# Altium PCB MCU025B.PcbDoc (part 2 of 4) (continued)
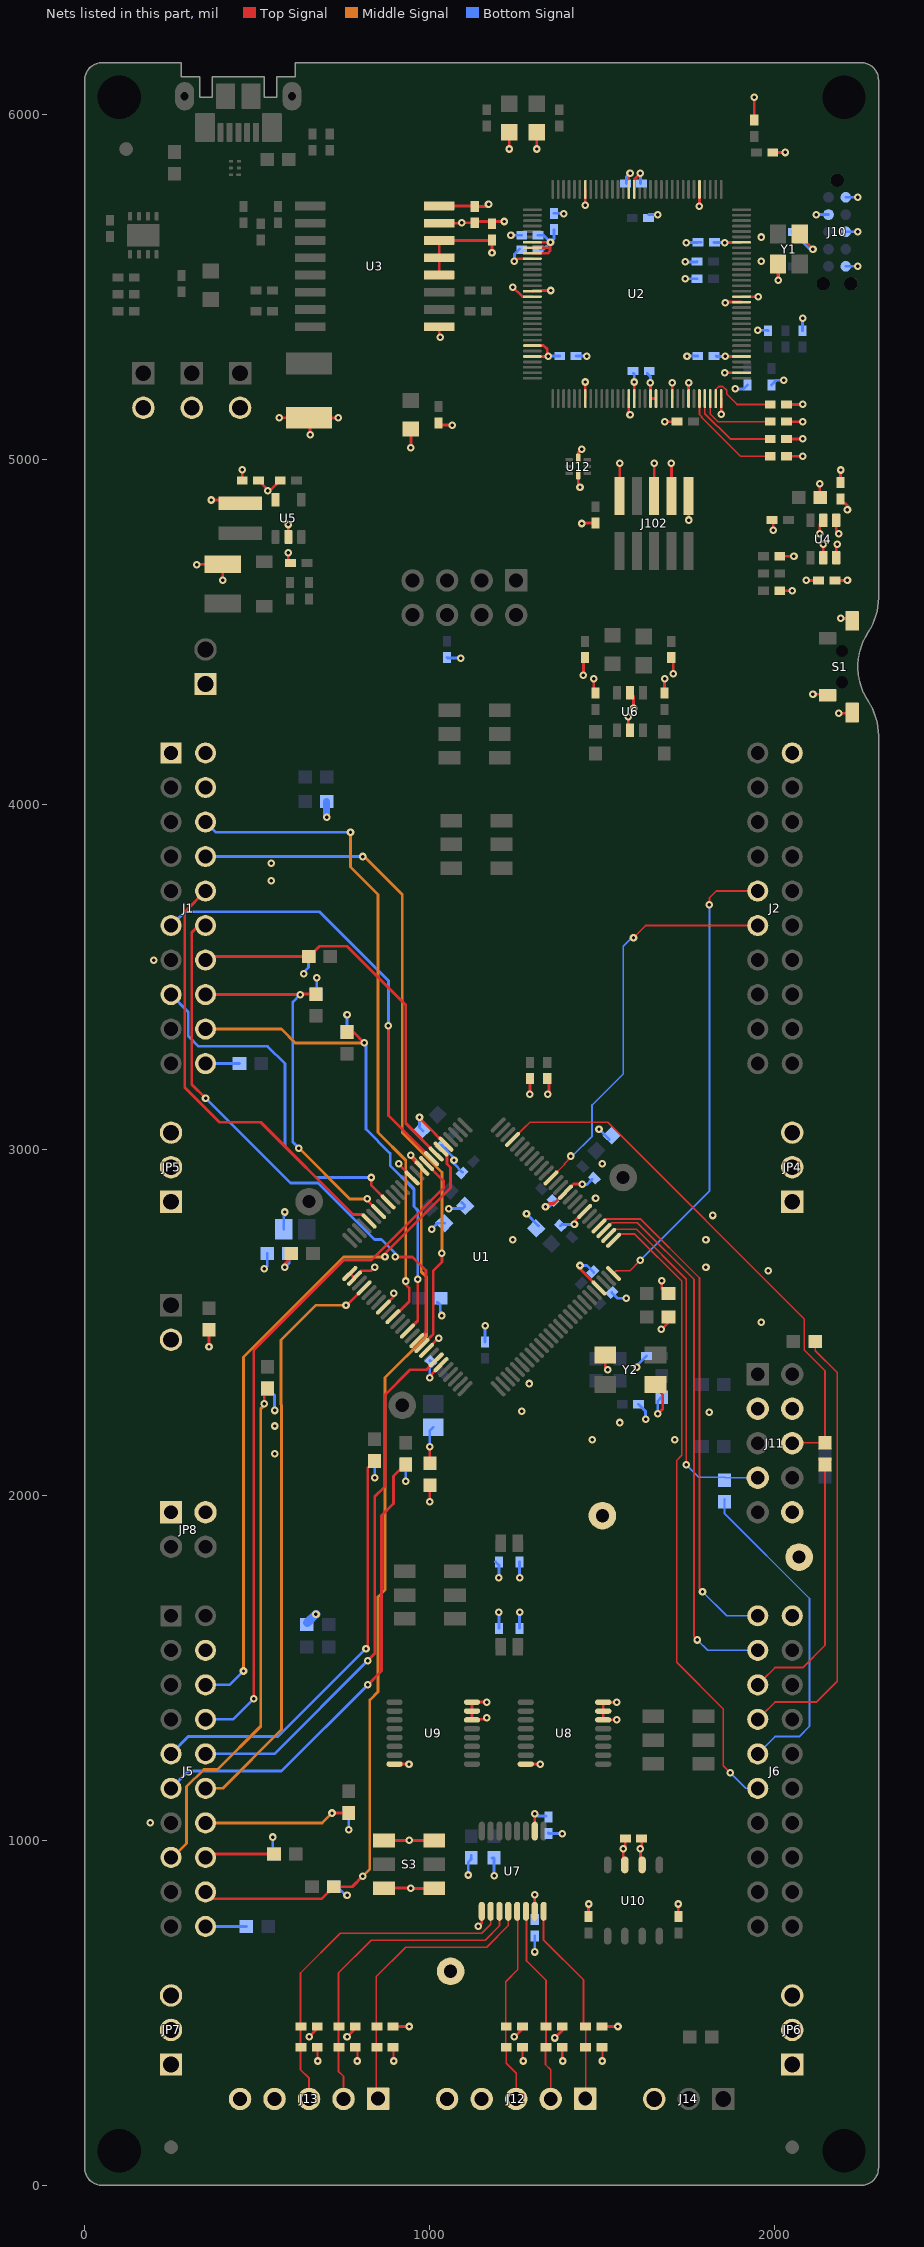
[diagram p6: the nets of this part, all layers, seen from the top]
## Part data (continued)
U8 U9: library part CMP-0076549-1, "TRIPLE 2-CHANNEL ANALOG MULTIPLEXER/DEMULTIPLEXER, PW0016A (TSSOP-16)", Alternate Manufacturer="Texas Instruments", ComponentLink1Description="Datasheet Link", ComponentLink1URL=http://www.ti.com/lit/ds/symlink/sn74lv4053a-q1.pdf, CompType=IC, LatestRevisionDate=2017-06-09, Manufacturer="Texas Instruments", MountType=SMT, PackageDescription=TSSOP-16, PackageReference=PW0016A, PartNumber=SN74LV4053ATPWRQ1, Publisher="Texas Instruments", RoHS=Y, SizeArea_mm2=32.0, SizeAreaWB_mm2=58.8, SizeX_mm=6.4, SizeY_mm=5.0, SizeZ_mm=1.2, U/M=EA
U10: library part CMP-0033355-1, "3.3V CAN Transceiver with Sleep Mode, 6 mA, -40 to 125 degC, 8-pin SOIC (D), Green (RoHS & no Sb/Br)", Bus Fault Voltage(V)=+/-30, Drivers Per Package=1, Low Power Mode=Sleep, Manufacturer="Texas Instruments", Rating=Catalog, Supply Voltage(s)(V)=3.3, Code_JEDEC=MS-012AA, ComponentLink1Description=Datasheet, ComponentLink1URL=http://www.ti.com/general/docs/lit/getliterature.tsp?genericPartNumber=SN65HVD234&fileType=pdf, DatasheetVersion=SLLS557F, Eco-Plan="Green (RoHS & no Sb/Br)", ICC(Max)(mA)=6, Isolated=No, Mounting Technology="Surface Mount", PackageDescription="8-Pin Plastic Small Outline Integrated Circuit, 4.9 x 3.9 mm, Pitch 1.27 mm Pitch", PackageReference=D0008A, PackageVersion="revM, Jun-2011", PartNumber=SN65HVD234DR, Receivers Per Package=1, SubFamily=CAN, Transient Pulse Protection(V)="-100 to 100"
U12: library part CMP-0043125-2, "Low-Capacitance + / - 15 kV ESD Protection Array for High-Speed Data Interfaces, 6 Channels, -40 to +85 degC, 8-pin UQFN (RSE), Green (RoHS & no Sb/Br)", Breakdown Voltage(Min)(V)=6, IO Capacitance(Typ)(pF)=1.6, IO Leakage Current(nA)=1, Manufacturer="Texas Instruments", 1394 / Firewire=TRUE, ComponentLink1Description="Manufacturer URL", ComponentLink1URL=http://www.ti.com/, ComponentLink2Description=Datasheet, ComponentLink2URL=http://www.ti.com/general/docs/lit/getliterature.tsp?genericPartNumber=TPD6E004&fileType=pdf, ComponentLink3Description="URL Link1", ComponentLink3URL=SamplesURL:http://www.ti.com/product/tpd6e004#samples, DatasheetVersion=SLLS799A, Eco-Plan="Green (RoHS & no Sb/Br)", IEC 61000-4-2 Air-Gap(+/- kV)=12, IEC 61000-4-2 Contact(+/- kV)=8, Mounting Technology="Surface Mount", PackageDescription="8-Pin Plastic Quad Flatpack No-Lead, 1.5 x 1.5 mm Body, 0.5 mm Pitch", PackageReference=RSE0008A, PackageVersion="revD, Jan-2011", PartNumber=TPD6E004RSER, Serial ATA / eSATA=TRUE, SubFamily="ESD Solution", USB High Speed=TRUE
U100: library part CMP-0043115-2, "ESD-Protection Array for High-Speed Data Interfaces, 4 Channels, -40 to +85 degC, 6-pin SON (DRY), Green (RoHS & no Sb/Br)", Breakdown Voltage(Min)(V)=6, IO Capacitance(Typ)(pF)=1.6, IO Leakage Current(nA)=1, Manufacturer="Texas Instruments", 1394 / Firewire=TRUE, AEC Category=Q200, AEC Qualified=N, ComponentLink1Description="Datasheet Link", ComponentLink1URL=http://www.ti.com/lit/ds/symlink/tpd4e004.pdf, ComponentLink2Description="Product Folder", ComponentLink2URL=http://www.ti.com/product/tpd4e004, ComponentLink3Description="Online Datasheet", ComponentLink3URL=http://www.ti.com/product/tpd4e004/datasheet, CompType=IC, DatasheetVersion=SLVS729A, Eco-Plan="Green (RoHS & no Sb/Br)", IEC 61000-4-2 Air-Gap(+/- kV)=12, IEC 61000-4-2 Contact(+/- kV)=8, Mounting Technology="Surface Mount", MountType=SMT, PackageDescription=USON-6, PackageReference=DRY0006A, PackageVersion="revF, Dec-2011", PartNumber=TPD4E004DRYR, RoHS=Y, Serial ATA / eSATA=TRUE, SizeArea_mm2=1.45, SizeAreaWB_mm2=4.9, SizeX_mm=1.0, SizeY_mm=1.45, SizeZ_mm=0.6, SubFamily="ESD Solution", USB High Speed=TRUE
U101: library part CMP-0036402-3, "Single Output High PSRR LDO, 1 A, Adjustable 1.2 to 5.5 V Output, 2.7 to 5.5 V Input, 8-pin SON (DRB), -40 to 125 degC, Green (RoHS & no Sb/Br)", Manufacturer="Texas Instruments", Accuracy(%)=2, AEC Category=Q200, AEC Qualified=N, ComponentLink1Description="Manufacturer URL", ComponentLink1URL=http://www.ti.com/, ComponentLink2Description=Datasheet, ComponentLink2URL=http://www.ti.com/general/docs/lit/getliterature.tsp?genericPartNumber=TPS79601&fileType=pdf, ComponentLink3Description="Package Specification", ComponentLink3URL=http://www.ti.com/litv/pdf/mpds118h, CompType=IC, DatasheetVersion=SLVS351N, Eco-Plan="Green (RoHS & no Sb/Br)", Iout(Max)(A)=1, Iq(Typ)(mA)=0.26, MountType=SMT, PackageDescription=VSON-8, PackageReference=DRB0008B, PackageVersion=4203482-2/K, PartNumber=TPS79601DRBR, RoHS=Y, SizeArea_mm2=9.0, SizeAreaWB_mm2=16.0, SizeX_mm=3.0, SizeY_mm=3.0, SizeZ_mm=1.0, SubFamily="Single Channel LDO", Vdo(Typ)(mV)=250, Vin(Max)(V)=5.5, Vin(Min)(V)=2.7, Vout Adj(Max)(V)=5.5, Vout Adj(Min)(V)=1.2
USB101: library part CMP-0055311-1, "Receptacle, USB 2.0, Micro B, 5 Position, R/A, SMT", Color=Black, Current_A=1.8A, Manufacturer=Molex, Supplier Part Number 1=WM11263CT-ND, Voltage_V=30V, Cert_UL=Y, CNHeader=FALSE, ComponentLink1Description="Datasheet URL", ComponentLink1URL=http://www.molex.com/pdm_docs/sd/1051640001_sd.pdf, CompType=USB, ContactFinish=Gold, CT=TRUE, Gender=Female, LatestRevisionDate=26/05/2017, MountType=SMT, Orientation=R/A, PackageReference="Receptacle, USB 2.0, Micro B, 5 Pos, 0.65mm Pitch, R/A, SMT", PartNumber=1051640001, PinCount=5, Pitch_mm=0.65, Publisher="Texas Instruments", RoHS=Y, Supplier 1=Digi-Key, Supplier 2=Newark, Supplier 3=Mouser, Supplier Part Number 2=99Y3224, Supplier Part Number 3=538-105164-0001
Y1: library part CMP-0004635-3, "Crystal, 16 MHz, 8pF, SMD", Frequency_Fixed=16MHz, Frequency Stability=+/-30ppm, Manufacturer=NDK, Supplier Part Number 1=644-1157-1-ND, ComponentLink1Description="Datasheet Link", ComponentLink1URL=http://www.ndk.com/images/products/catalog/c_NX3225GA-STD-CRG-1_e.pdf, CompType=Crystal, MountType=SMT, PackageReference=3.2x0.75x2.5mm, PartNumber=NX3225GA-16.000M-STD-CRG-1, RoHS=Y, Supplier 1=Digi-Key, TaMax_C=70°C, TaMin_C=-10°C
Y2: library part CMP-0080365-1, "Crystal, 20 MHz, 25 ppm, 18, SMD", Frequency_Fixed=20MHz, Frequency Stability="30 ppm", Frequency Tolerance="25 ppm", Load Capacitance=18, Manufacturer="ECS Inc.", Supplier Part Number 1=XC2693CT-ND, AEC Category=Q200, AEC Grade=N/A, AEC Qualified=N, ComponentLink1Description="Datasheet Link", ComponentLink1URL=http://www.ecsxtal.com/store/pdf/ecx_53b.pdf, CompType=Crystal, MountType=SMT, PackageReference=5x3.2mm, PartNumber=ECS-200-18-30B-AGN-TR, RoHS=Y, Supplier 1=Digi-Key, Supplier 2=Mouser, Supplier Part Number 2=520-200-18-30B-AGNT, TaMax_C=85°C, TaMin_C=-40°C
ZZ2: library part CMP-0077236-1, ClassName=AssemblyNote, CompType=AssemblyNote, Key=AssemblyNote, LatestRevisionDate=2017-08-10, Publisher="Texas Instruments"
ZZ3: library part CMP-0077237-1, ClassName=AssemblyNote, CompType=AssemblyNote, Key=AssemblyNote, LatestRevisionDate=2017-08-10, Publisher="Texas Instruments"
ZZ4: library part CMP-0077238-1, ClassName=AssemblyNote, CompType=AssemblyNote, Key=AssemblyNote, LatestRevisionDate=2017-08-10, Publisher="Texas Instruments"

## Free pads (board coordinates)
  round 0 on Mech16 paste+0 mask+0: 1(496.18,5248.19) 1(496.18,5248.19)
  rrect9% 41.73x57.87 on Top Paste: 9(145.2,5650) 9(194.8,5650)

## Via types
v1: diameter 22, hole 10, Top Signal to Bottom Signal, tented both sides, 400 vias
v2: diameter 19.68, hole 7.87, Top Signal to Bottom Signal, 4 vias

## Nets (pads, with @x,y where several pads share a name; then routed paths per layer and width w, separated by ;. In a path a pad name is that pad's centre, name@x,y a point inside that pad or via, vN(x,y) a via of type N, cw(c..) or ccw(c..) an arc to the next point about the centre after c; other vN are vias at no path point)
+3V3: C1.2 C2.2 C5.1 C6.2 C15.1 C19.1 C40.2 C41.1 C49.2 C51.1 C52.1 C53.1 C54.1 C55.1 C56.1 C57.1 C58.1 J1.1 J10.1 J11.10 J102.1 JP2.2 JP4.1 JP6.1 JP8.1 L1.1 L2.1 L3.1 R3.2 R4.2 R6.2 R8.2 R10.2 R11.2 R29.2 R30.2 R32.2 R33.2 R34.2 R36.2 R37.2 R42.1 R54.2 R57.2 R58.2 R59.2 R60.2 R61.2 R65.2 R70.2 S3.3 S3.6 TP4.1 U2.7 U2.8 U2.9 U2.16 U2.26 U2.28 U2.39 U2.47 U2.51 U2.52 U2.69 U2.79 U2.90 U2.101 U2.113 U2.122 U3.12 U3.13 U3.14 U3.16 U4.3 U4.4 U4.5 U5.5 U6.5 U7.2 U8.16 U9.16 U10.3 U12.8 | length 3634.6
  Top Signal w8: v1(366,4883) 440.31,4883 L1.1@450,4873.31 ; C5.1@500,4940 C5.1@503.62,4940 v1@530,4913.62 ; v1(530,4910) 536.38,4910 R8.2@566.38,4940 R8.2@570,4940 ; S3.6@867.17,998.9 938.9,998.9 v1(940,1000) 941.1,998.9 S3.3@1012.83,998.9 ; U9.16@897.8,1220.43 v1(939.57,1220.43) ; C19.1@1000,2090 C19.1@1000.75,2090.75 ; C19.1@1000,2091.5 v1(1000,2140) ; R3.2@1025,5105 1030,5100 v1(1065,5100) ; U3.12@1027.01,5535 1027.01,5627.01 U3.14@1030,5630 ; U3.16@1027.01,5735 C1.2@1135,5735 ; U3.14@1030,5640 1030,5635 C2.2@1175,5635 ; C1.2@1140,5733.62 1163.62,5733.62 v1(1170,5740) ; v1(1180,5600) C2.2@1180,5636.38 ; U8.16@1277.8,1220.43 v1(1319.57,1220.43) ; U2.28@1296.85,5298.9 1296.95,5299 v1(1343,5299) ; U2.26@1296.85,5330.39 1329.61,5330.39 1340,5320 v1@1340,5300 ; U2.16@1296.85,5487.87 1298.98,5490 v1(1350,5490) ; U2.9@1296.85,5598.11 1341.75,5598.11 1347.86,5604.22 1347.86,5613.86 ; U2.8@1296.85,5613.86 1347.86,5613.86 ; U2.7@1296.85,5629.61 1349,5629.61 1349,5615 1347.86,5613.86 ; U7.2@1303.98,1026.14 1303,1027.12 1304,1028.12 v1(1304,1076) ; R32.2@1340,3206.38 1345,3201.38 v1@1345,3160 ; U12.8@1430,4954.41 1430,4925 v1(1435,4920) ; v1(1440,4815) 1441.38,4816.38 R57.2@1480,4816.38 ; v1@1449.37,4375.63 1448.74,4375 v1(1445,4375) 1445,4420 R29.2@1450,4425 ; v1(1450,5225) 1450,5177.24 U2.39@1450.39,5176.85 ; v1(1450,5737) 1450,5782.76 U2.122@1450.39,5783.15 ; R54.2@1460,778.62 v1(1460,815) ; v1(1475,4365) 1475,4340 1480,4335 R36.2@1480,4323.62 R36.2@1479.31,4324.31 ; v1(1560,975) 1560,933.35 U10.3@1565,928.35 ; v1@1566.38,978.62 C49.2@1566.38,1005 ; U2.47@1576.38,5176.85 1576.38,5133.62 v1(1580,5130) ; U6.5@1580,4324.13 1590,4314.13 v1(1590,4280) ; U2.113@1592.13,5783.15 1592.13,5812.13 v1(1610,5830) ; v1(1639,5223) 1639,5219.74 1639.37,5219.37 1639.37,5176.85 U2.52@1654.78,5176.85 ; v1(1672,2621) 1672,2598 1690,2580 R11.2@1691.5,2580 ; R37.2@1680,4323.62 v1(1680,4365) ; R30.2@1699.37,4426.22 1705,4420.59 v1(1705,4380) ; v1(1750,4825) J102.1@1750,4895.12 ; v1(1781,5734) 1781,5783.05 U2.101@1781.1,5783.15 ; v1(1854,5629) 1901.76,5629 1902.76,5630 U2.90@1903.15,5629.61 ; v1@1855,5455 1856.38,5456.38 U2.79@1903.15,5456.38 ; v1(1856,5299) 1861,5299 1861.1,5298.9 U2.69@1903.15,5298.9 ; R4.2@2013.62,4720 v1(2055,4720) ; R61.2@2033.62,5010 v1(2080,5010) ; R60.2@2033.62,5060 v1(2080,5060) ; R59.2@2033.62,5110 v1(2080,5110) ; R58.2@2033.62,5160 v1(2080,5160) ; v1(2130,4785) 2130,4814.13 U4.5@2140,4824.13 ; R6.2@2130,4888 v1(2130,4930) ; C6.2@2173.62,4650 v1(2210,4650) ; U4.3@2177.4,4715.87 2177.4,4747.4 2177,4747.8 2180,4750.8 v1(2180,4755) ; U4.4@2177.4,4824.13 2177.4,4792.6 v1(2185,4785) ; C40.2@2190,4886.38 2213,4863.38 2210,4860.38 v1(2210,4855)
  Bottom Signal w8: v1(520,2655) 528.51,2663.51 C15.1@528.5,2700 ; L2.1@576.54,2770 576.54,2806.54 580,2810 v1(580,2820) ; v1(1000,2140) 1000,2186.54 L3.1@1010,2196.54 ; R10.2@1050,4426.38 1051.38,4425 v1(1090,4425) ; v1(1111,899) 1111,935.5 1121,945.5 1119,947.5 R42.1@1120,948.5 R42.1@1120,956.38 ; R33.2@1190,1806.38 1200,1796.38 v1(1200,1760) ; v1(1260,1760) R34.2@1260,1806.38 ; v1@1310,1070 C41.1@1336.38,1070 ; C58.1@1313.62,5650 1330,5650 1350,5630 1360,5640 C56.1@1360,5666.38 ; C57.1@1320,5610 1330,5610 v1(1349.61,5629.61) ; v1@1340,5300 C55.1@1376.38,5300 ; C51.1@1610,5800 v1(1610,5830) ; C54.1@1630,5250 1640,5240 1639,5239 v1(1639,5223) ; C52.1@1823,5630 1824,5629 v1(1854,5629) 1859,5629 1860,5630 v1@1854,5630 ; C53.1@1830,5300 1831,5299 v1(1856,5299) ; v1(1885,5205) 1908.62,5205 R70.2@1920,5216.38 ; v1(1950,5375) 1978.62,5375 R65.2@1980,5373.62 ; J10.1@2205,5760 v1(2240,5760)
  other v1: 1342,3161 1856,5455
+5V0: C42.2 J1.21 J12.4 J13.4 JP3.2 JP5.1 JP7.1 JP8.2 JP9.1 R48.2 R49.2 R50.2 R51.2 R52.2 R53.2 R62.1 TP5.1 U7.15 | length 384
  Top Signal w6: v1(675,360) R53.2@675,400 ; R52.2@785,400 790,395 v1(790,360) ; v1(895,360) R51.2@895,400 ; R50.2@1268.62,400 1268.62,361.38 v1(1270,360) ; U7.15@1304,785.88 v1(1304,842) ; U7.15@1303.98,793.86 1300,789.88 U7.15@1305,784.88 ; R49.2@1383.62,400 1383.62,361.38 v1(1385,360) ; R48.2@1493.62,400 R48.2@1498.62,400 1500,398.62 v1(1500,360) ; R62.1@1940,5983.62 v1(1940,6050)
ADCINA0: J5.30 R13.1 | length 118.5
  Bottom Signal w8: J5.30@350,750 R13.1@468.5,750
ADCINA1: J1.30 R15.1 | length 108.5
  Bottom Signal w8: J1.30@340,3250 J1.30@350,3250 R15.1@448.5,3250
ADCINA2: J5.24 U1.9 | length 2010.7
  Top Signal w8: v1(490,1410) 490,2420 750,2680 830,2680 1040,2890 1040,2910 990.62,2959.38 U1.9@990.62,2960.73
  Bottom Signal w8: J5.24@350,1350 430,1350 v1(490,1410)
ADCINA3_P2I: J5.29 R16.2 U1.10 | length 2765.7
  Top Signal w8: J5.29@350,850 370,830 686.5,830 R16.2@721.5,865 775,865 v1(805,895) ; 790,880 v1(805,895) ; 792.5,882.5 v1(805,895) ; v1(945,2985) 945,2978.52 U1.10@976.7,2946.81
  Middle Signal w8: v1(805,895) 826,916 826,1406 850,1430 850,1705 870,1725 870,2340 990,2460 990,2631.87 975,2646.87 975,2955 v1(945,2985)
ADCINA4_P2OF: J5.6 R19.1 | length 1379.8
  Top Signal w8: v1(820,1450) 860,1490 860,1940 895,1975 895,2055 R19.1@930,2090
  Bottom Signal w8: J5.6@250,1150 300,1200 570,1200 v1(820,1450)
ADCINA5: J1.23 U1.35 | length 1927.6
  Top Signal w8: U1.35@893.19,2516.7 896.7,2516.7 940,2560 940,2600 930,2610 v1(930,2620)
  Middle Signal w8: v1(770,3920) 770,3820 850,3740 850,3050 930,2970 v1(930,2620)
  Bottom Signal w8: J1.23@350,3950 380,3920 760,3920 v1(770,3920)
ADCINA6: J5.23 U1.6 | length 1969.4
  Top Signal w8: v1(870,2690) 870,2700 1060,2890 1060,2949 1049.37,2959.63 1049.37,2985.63 1032.51,3002.49 U1.6@1032.38,3002.49
  Middle Signal w8: v1(460,1490) 460,2400 750,2690 v1(870,2690)
  Bottom Signal w8: J5.23@350,1450 420,1450 v1(460,1490)
ADCINA8_P6OF: J5.8 R22.1 | length 1499.4
  Top Signal w8: v1(520,2265) 520,2295 R22.1@530,2305
  Middle Signal w8: J5.8@250,945 295,990 295,1155 345,1205 385,1205 510,1330 510,2250 520,2260 v1(520,2265)
ADCINA9_P5I: J1.29 R20.2 U1.38 | length 1483.8
  Top Signal w8: J1.29@350,3350 J1.29@360,3340 ; R20.2@760,3341.5 778.5,3341.5 v1(810,3310) ; U1.38@934.94,2474.94 965,2505 v1(965,2625)
  Middle Signal w8: J1.29@345,3350 J1.29@350,3350 570,3350 610,3310 v1(810,3310)
  Bottom Signal w8: v1(810,3310) 815,3305 815,3060 885,2990 885,2955 954,2886 954,2836 965,2825 965,2628.42 959,2622.42 v1@959,2622.13 ; v1@958.43,2621.56 961.87,2625 v1(965,2625)
ADCINB0: J1.24 U1.41 | length 1994.2
  Top Signal w8: U1.41@976.7,2433.19 1001,2457.48 1001,2457.87 1010,2466.87 1010,2650 1035,2675 v1(1035,2700)
  Middle Signal w8: v1(805,3850) 810,3850 920,3740 920,3050 1035,2935 v1(1035,2700)
  Bottom Signal w8: J1.24@350,3850 v1(805,3850)
ADCINB1: J1.26 U1.40 | length 1619.4
  Top Signal w8: v1(350,3150) 310,3190 310,3630 J1.26@350,3670 ; v1(900,2690) 950,2690 989,2651 989,2473.32 U1.40@962.78,2447.11
  Bottom Signal w8: v1(350,3150) 596,2904 676,2904 840,2740 860,2740 900,2700 v1(900,2690)
ADCINB2_P1I: J1.27 R14.2 U1.7 | length 1133.6
  Top Signal w8: J1.27@350,3550 360,3560 R14.2@648.5,3560 ; R14.2@650,3560 680,3590 760,3590 930,3420 930,3077.03 U1.7@1018.46,2988.57
ADCINB3: J1.6 U1.8 | length 1296.3
  Top Signal w8: v1(880,3360) 880,3099.2 U1.8@1004.54,2974.65
  Bottom Signal w8: J1.6@250,3650 290,3690 680,3690 880,3490 v1(880,3360)
ADCINB4_P4OF: J5.5 R25.1 | length 1246.7
  Top Signal w8: v1(815,1555) 820,1560 820,2078.5 R25.1@840,2098.5 R25.1@841.5,2098.5
  Bottom Signal w8: J5.5@250,1250 300,1300 560,1300 v1(815,1555)
ADCINC0_P3I: J1.28 R17.2 U1.19 | length 1093.4
  Top Signal w8: J1.28@350,3450 v1(624,3450) 627.01,3450 628.5,3451.5 R17.2@670,3451.5 ; v1@817.97,2855 U1.19@851.43,2821.54 ; v1@818,2855.03 v1(818,2858)
  Middle Signal w8: v1(620,3005) 620.93,3005 767.97,2857.97 ; 768,2858 816,2858 818,2856 v1(818,2858)
  Bottom Signal w8: v1(620,3005) 603,3022 603,3429 v1(624,3450)
ADCINC1: J5.26 U1.29 | length 1723.1
  Top Signal w8: v1(757,2550) 759.45,2550 U1.29@809.67,2600.22
  Middle Signal w8: J5.26@350,1150 400,1150 570,1320 570,2261.13 569,2262.13 569,2449 670,2550 v1(757,2550)
ADCINC2: J1.25 U1.21 | length 1290.7
  Top Signal w8: J1.25@350,3750 290,3690 290,3180 390,3080 510,3080 777,2813 807,2813 U1.21@826,2794
ADCINC3_P4I: J5.27 R18.2 | length 428.9
  Top Signal w8: v1(716.5,1078.5) R18.2@765,1078.5
  Middle Signal w8: J5.27@350,1050 687.99,1050 v1(716.5,1078.5) v1@715,1080
ADCINC4: J1.8 U1.17 | length 1072.2
  Top Signal w8: v1(830,2920) 830,2898.65 U1.17@879.27,2849.38
  Bottom Signal w8: J1.8@250,3450 300,3400 300,3330 330,3300 530,3300 580,3250 580,3010 670,2920 v1(830,2920)
ADCINC5_P6I: J5.28 R21.2 | length 202.6
  Top Signal w8: J5.28@350,950 360,960 R21.2@548.5,960
ADCINC14: J5.25 U1.44 | length 1539.2
  Top Signal w8: v1(820,1520) 840,1540 840,1995 870,2025 870,2290 943,2363 990,2363 999.52,2372.52 U1.44@1002.52,2372.52
  Bottom Signal w8: J5.25@350,1250 550,1250 v1(820,1520)
DEBUG_ID4: R58.1 U2.63 | length 214.5
  Top Signal w5: U2.63@1828.35,5176.85 1828.35,5203.35 1836.91,5211.91 1848.83,5211.91 1860,5200.74 1860,5190 1890,5160 R58.1@1985,5160
DEBUG_ID5: R59.1 U2.62 | length 226.1
  Top Signal w5: U2.62@1812.6,5176.85 1812.6,5132.4 1835,5110 R59.1@1985,5110
DEBUG_ID6: R60.1 U2.61 | length 262.1
  Top Signal w5: U2.61@1796.85,5176.85 1796.85,5133.15 1870,5060 R60.1@1985,5060
DEBUG_ID7: R61.1 U2.60 | length 301.1
  Top Signal w5: U2.60@1781.1,5176.85 1781.1,5130.69 1786.87,5124.92 1786.87,5123.13 1900,5010 R61.1@1985,5010
EQEP1A: C43.1 J12.1 R48.1 U7.16 | length 600.5
  Top Signal w5: U7.16@1329.57,793.86 1329.57,710.43 1445,595 1445,465 1451.38,458.62 R48.1@1451.38,400 J12.1@1451.38,246.38 ; R48.1@1446.38,403.62 R48.1@1447.5,402.5 ; J12.1@1450,250 J12.1@1450,251
EQEP1B: C44.1 J12.2 R49.1 U7.14 | length 574
  Top Signal w5: U7.14@1278.39,790 U7.14@1278.39,793.86 ; U7.14@1280,790 1280,650 1336.38,593.62 C44.1@1336.38,460 1336.38,401.38 1335,400 1335,350 1350,335 J12.2@1350,250
EQEP1I: C45.1 J12.3 R50.1 U7.13 | length 573.4
  Top Signal w5: R50.1@1220,400 1220,590 1255,625 1255,790 U7.13@1250,795 ; R50.1@1221.38,400 1221.38,353.62 1250,325 J12.3@1250,250
EQEP2A: C46.1 J13.1 R51.1 U7.12 | length 848.6
  Top Signal w5: R51.1@846.38,400 R51.1@850,396.38 ; C46.1@846.38,460 C46.1@845,461.38 ; J13.1@850,250 845,255 C46.1@845,461.38 ; U7.12@1227.2,793.86 1227.2,752.8 1164.41,690 930,690 845,605 C46.1@845,461.38
EQEP2B: C47.1 J13.2 R52.1 U7.11 | length 938.6
  Top Signal w5: C47.1@736.38,458.62 C47.1@735,460 ; J13.2@750,250 750,315 735,330 C47.1@735,460 ; U7.11@1201.61,793.86 1201.61,751.61 1160,710 830,710 735,615 C47.1@735,460
EQEP2I: C48.1 J13.3 R53.1 U7.10 | length 1024.6
  Top Signal w5: C48.1@626.38,458.62 C48.1@625,460 ; J13.3@650,250 650,310 625,335 C48.1@625,460 ; U7.10@1176.02,793.86 1176.02,756.02 1150,730 740,730 625,615 C48.1@625,460
GND: C1.1 C2.1 C4.2 C5.2 C6.1 C7.2 C8.2 C9.1 C10.1 C11.2 C12.2 C13.2 C14.2 C15.2 C16.2 C17.2 C18.2 C19.2 C20.2 C21.1 C22.1 C23.1 C24.1 C25.1 C26.1 C27.1 C28.1 C29.1 C30.1 C31.1 C32.2 C33.2 C34.2 C35.2 C36.2 C37.1 C38.2 C39.2 C40.1 C41.2 C42.1 C43.2 C44.2 C45.2 C46.2 C47.2 C48.2 C49.1 C50.2 C51.2 C52.2 C53.2 C54.2 C55.2 C56.2 C57.2 C58.2 C59.2 C60.2 C61.2 C62.2 C63.2 C66.2 C104.1 J1.22 J2.20 J5.22 J6.20 J10.3 J10.5 J10.9 J11.3 J11.4 J12.5 J13.5 J14.3 J15.2 J102.3 J102.5 J102.9 JP1.2 JP4.2 JP4.3 JP5.2 JP5.3 JP6.2 JP6.3 JP7.2 JP7.3 LED1.1 LED2.2 LED3.2 R9.1 R12.2 R26.1 R27.1 R35.2 R40.1 R41.1 R43.1 R56.1 R67.1 R68.1 S1.1 S1.2 S1.3 S3.1 S3.4 TP6.1 U1.5 U1.12 U1.26 U1.27 U1.33 U1.42 U1.45 U1.72 U1.82 U1.86 U2.10 U2.17 U2.48 U2.55 U2.58 U2.64 U2.66 U2.80 U2.114 U3.9 U3.15 U4.2 U5.2 U6.2 U7.9 U8.6 U8.7 U8.8 U9.6 U9.7 U9.8 U10.2 U12.4 Y1.2 Y1.4 Y2.2 Y2.4 | length 6418.7
  Top Signal w8: v1(325,4695) 330.83,4695 332.91,4697.09 C4.2@400,4697.09 410,4687.09 400,4677.09 v1(400,4650) ; v1(360,2430) C35.2@360,2478.5 ; v1(456,4971) 456,4964 456.38,4963.62 C5.2@456.38,4940 ; v1(564,5121) 571,5121 571.26,5121.26 C104.1@650,5121.26 ; v1(580,2660) 580,2670 598.5,2688.5 C36.2@598.5,2700 ; v1(590,4730) 590,4705 R9.1@595,4700 ; U5.2@590,4775.87 v1(590,4812) ; v1(650,430) 675,455 C48.2@675,460 ; v1(653,5072) 653,5118.26 C104.1@650,5121.26 ; v1(734,5121) 652.26,5121 651.26,5120 C104.1@650,5121.26 ; v1(760,430) 785,455 C47.2@785,460 ; U1.26@770,2639.89 U1.27@781.83,2628.06 ; U1.27@780,2630 800,2650 830,2650 v1(840,2660) ; U1.33@865.35,2544.54 875.4,2554.6 U1.33@875.81,2555 ; S3.4@867.17,861.1 943.9,861.1 v1(945,860) S3.1@1015,860 ; U1.33@875,2555 U1.33@875.81,2555 ; C46.2@893.62,460 v1(940,460) ; v1(895,2585) 895,2574 876,2555 U1.33@875.81,2555 ; v1(910,2960) 910,2957.84 U1.12@948.86,2918.97 ; v1(945,5035) LED1.1@945,5088.66 ; v1(970,3095) 970,3092 1015,3047 1015,3046.72 1026.72,3035 1027.71,3035 U1.5@1046.3,3016.41 ; U1.42@990.62,2419.27 990.62,2420.62 1024,2454 v1(1026,2454) ; v1(1000,1980) C19.2@1000,2028.5 ; v1(1000,2340) 1000,2345.13 U1.45@1032.38,2377.51 ; v1@1027.01,5362.99 U3.9@1027.01,5385 ; U3.15@1027.01,5685 1090,5685 1091.38,5686.38 C1.1@1128.38,5686.38 ; U9.8@1122.2,1397.8 U9.7@1122.2,1373.98 U9.6@1122.2,1348.39 1123.82,1350 1160,1350 v1(1165,1355) ; U9.8@1122.2,1399.57 1122.64,1400 v1(1165,1400) ; C1.1@1125,5690 v1(1215,5690) ; C1.1@1130,5686.38 C1.1@1128.38,5686.38 ; C1.1@1130,5688 C1.1@1128.38,5686.38 ; v1(1140,750) 1150.43,760.43 U7.9@1150.43,793.86 ; v1(1230,5900) LED2.2@1230,5948.66 ; v1(1240,5500) 1267.87,5472.13 U2.17@1296.85,5472.13 ; v1(1245,430) 1270,455 C45.2@1270,460 ; v1(1245,5575) 1252.36,5582.36 U2.10@1296.85,5582.36 ; v1@1290,3160 C37.1@1290,3206.38 ; v1(1310,5900) LED3.2@1310,5948.66 ; v1(1335,2835) 1345,2845 1360,2845 1392.22,2877.22 U1.86@1392.89,2877.22 1416.68,2901 v1@1443,2901 ; v1@1360,422.76 v1@1361.96,424.72 ; v1@1360,426.38 v1@1360.43,426.81 ; v1@1361.2,427.57 v1@1360.43,426.81 ; v1@1367.24,430 v1@1362.24,425 ; C44.2@1385,460 1385,449.85 v1(1361.96,426.81) v1@1361.96,425.28 ; v1(1419,2784) 1419,2794 1447,2822 U1.82@1450,2822 ; U12.4@1430,5005.59 1430,5020 v1@1438.07,5028.07 ; v1(1435,2665) 1435,2655.55 U1.72@1490.33,2600.22 ; C43.2@1495,460 C43.2@1498.62,460 v1(1545,460) ; U8.8@1502.2,1397.8 U8.7@1502.2,1373.98 U8.6@1502.2,1348.39 1502.59,1348 1503.59,1349 v1(1541,1349) ; U8.8@1502.2,1399.57 1502.77,1399 v1(1541,1399) ; Y2.4@1508.38,2406.24 1508.38,2371.62 1516,2364 v1(1516,2363) ; J102.9@1550,4895.12 v1(1550,4990) ; v1(1575,4255) 1575,4220 U6.2@1580,4215 ; U2.114@1576.38,5783.15 1576.38,5826.38 v1(1580,5830) ; v1(1592,5225) 1592,5218 1592.13,5217.87 U2.48@1592.13,5176.85 ; v1(1610,975) 1610,933.35 U10.2@1615,928.35 ; v1@1613.62,978.62 C49.1@1613.62,1005 ; J102.5@1650,4895.12 v1(1650,4990) ; Y2.2@1654.05,2319.62 1654.05,2310.95 1675,2290 1675,2250 v1(1660,2235) ; v1(1670,2480) 1671,2480 1693,2502 1690,2505 R12.2@1690,2520 ; v1(1680,5110) R68.1@1716.38,5110 ; J102.3@1700,4895.12 v1(1700,4990) ; v1@1700,5225 v1(1702,5223) 1702.36,5222.64 U2.55@1702.36,5176.85 ; R56.1@1720,775 R56.1@1720,778.62 v1(1720,815) ; U2.58@1749.61,5176.85 1749.61,5224.61 v1@1750,5225 ; v1(1844,5131) 1844,5140.81 1844.09,5140.91 U2.64@1844.09,5176.85 ; v1@1851.65,5251.65 v1@1855,5251.65 ; v1@1855,5250 1856.65,5251.65 U2.66@1903.15,5251.65 ; v1(1855,5252) v1@1861.31,5252 ; U2.80@1903.15,5472.13 1947.87,5472.13 v1@1950,5470 ; v1@1950,5472 v1(1951,5472) ; C8.2@1991.38,4825 1995,4821.38 v1(1995,4795) ; C50.2@1993.62,5890 v1(2030,5890) ; Y1.4@2008.5,5566.69 2008.5,5531.5 2010,5530 v1(2010,5520) ; C7.2@2013.62,4620 v1(2050,4620) ; Y1.2@2070,5650 v1(2110,5610) ; v1(2090,4650) C6.1@2126.38,4650 ; v1(2110,4320) 2150,4320 S1.3@2150,4310 ; U4.2@2140,4715.87 v1(2140,4755) ; v1(2185,4265) S1.1@2225,4265 ; v1(2190,4540) 2216.18,4540 S1.2@2223.31,4532.87 ; C40.1@2190,4933.62 v1(2190,4970) ; v1@1360.43,426.81 v1@1361.96,425.28 ; v1@1361.96,424.72 v1@1361.96,425.28 ; v1@1361.96,424.72 v1@1362.24,425 ; v1@1361.96,425.28 v1@1362.24,425
  Bottom Signal w8: C33.2@530,2310 550,2290 v1(550,2245) ; v1(545,1009) 545,963.5 C31.1@550,958.5 ; v1(580,2660) 591.5,2671.5 C15.2@591.5,2700 ; v1(635,3510) 635,3515 648.5,3528.5 C26.1@648.5,3560 ; R27.1@643.5,1625 R27.1@643.5,1630 ; C28.1@670,3451.5 672,3453.5 v1(672,3499) ; R26.1@700,4010 R26.1@701,4009 ; C27.1@721.5,865 726.5,870 756.5,840 v1(760,840) ; C30.1@760,3341.5 v1(760,3392) ; v1(765,1030) C29.1@765,1078.5 C29.1@766.5,1080 ; v1(840,2050) C34.2@840,2098.5 ; v1(930,2040) C32.2@930,2088.5 ; v1(970,3095) 970,3065 C10.1@980,3055 ; v1(1000,2340) 1000,2370 1010,2380 C22.1@1003.3,2386.7 C22.1@1000,2390 ; v1(1005,2770) 1022.73,2787.73 C18.2@1042.27,2787.73 ; C16.2@1021.5,2558.5 1030,2550 1030,2530 1035,2525 v1(1035,2520) ; C14.2@1033.3,3013.3 1070,2976.59 v1(1070,2970) 1070,2960 C21.1@1095,2935 ; v1(1055,2830) 1095,2830 C17.2@1100,2835 ; C17.2@1092.27,2847.73 C17.2@1100,2840 ; C13.2@1160,2443.62 v1(1160,2490) ; R43.1@1180,948.5 R43.1@1186,948.5 1186,903 v1@1190,899 ; R40.1@1200,1613.62 v1(1200,1660) ; v1(1235,5650) C58.2@1266.38,5650 ; v1(1245,5575) 1245,5595 C57.2@1260,5610 ; R41.1@1260,1613.62 v1(1260,1660) ; v1(1280,2815) C20.2@1315,2780 ; v1(1304,676) C42.1@1304,722 ; v1(1335,2835) 1345,2835 C24.1@1360,2850 ; C41.2@1343,1021 C41.2@1344.62,1019.38 ; C41.2@1344,1019.38 C41.2@1344.62,1019.38 ; C56.2@1360,5713.62 1376.38,5713.62 1377,5713 v1(1388,5713) ; C25.1@1378,2780 1383,2785 1384,2784 v1(1419,2784) ; v1(1384,1019) 1382,1019 1381.62,1019.38 C41.2@1344.62,1019.38 ; C55.2@1423.62,5300 v1(1454,5300) ; v1(1435,2665) 1455,2665 C23.1@1475,2645 ; v1(1442,2900) 1455,2900 C11.2@1470,2915 ; v1(1490,3060) 1504,3046 C9.1@1520,3030 ; C12.2@1526.7,2586.7 1543.41,2570 v1(1569,2570) ; C51.2@1570,5800 1570,5820 v1(1580,5830) ; C54.2@1590,5250 1592,5248 v1(1592,5225) ; v1(1600,2370) 1600,2375.34 C39.2@1627.59,2402.93 ; C38.2@1604.84,2262.93 1625,2242.76 v1(1625,2220) ; C61.2@1633.62,5710 v1(1660,5710) ; v1(1660,2235) 1660,2271.22 R35.2@1671.92,2283.15 ; v1(1740,5524) C60.2@1774.38,5524 ; v1(1740,5573) 1773.38,5573 C59.2@1774.38,5574 ; v1(1743,5629) 1776.38,5629 C52.2@1777.38,5630 C52.2@1786.38,5630 ; v1(1745,5300) C53.2@1776.38,5300 ; C66.2@1990,5216.38 2003.62,5230 v1(2025,5230) ; v1(2010,5520) C63.2@2010,5560 ; C62.2@2050,5660 2100,5610 v1(2110,5610) ; R67.1@2080,5373.62 v1(2080,5410) ; v1(2120,5710) J10.9@2155,5710 ; J10.5@2205,5560 v1(2240,5560) ; J10.3@2205,5660 v1(2240,5660)
  Bottom Signal w20: v1(701,3964) R26.1@701,4009
  Bottom Signal w25: R27.1@645,1630 v1(670,1655)
  other v1: 1186,897 190,1050 550,2120 1470,2160 1710,2160 550,2200 1550,2210 1810,2240 1266.38,2242.76 1288,2323 1960,2500 1980,2650 1800,2660 1240,2740 1800,2740 1820,2810 1480,2860 1500,2960 1289,3161 200,3550 540,3780 540,3830 1440,5030 1750,5223 1030,5355 1960,5575 1960,5645 1092,5686
GPIO0: J6.40 U1.79 | length 1471.6
  Top Signal w5: U1.79@1490.33,2779.78 1510.55,2800 1610,2800 1781.1,2628.9 1781.1,1728.9 v1(1790,1720)
  Bottom Signal w5: v1(1790,1720) 1860,1650 J6.40@1950,1650
GPIO1: J6.39 U1.78 | length 1574.8
  Top Signal w5: U1.78@1504.25,2765.86 1527.39,2789 1601,2789 1765.35,2624.65 1765.35,1589.65 v1(1775,1580)
  Bottom Signal w5: v1(1775,1580) 1805,1550 J6.39@1950,1550
GPIO2_BP: J6.36 R71.2 | length 943.5
  Bottom Signal w5: R71.2@1854,1988.5 R71.2@1854,1980.1 1854,1946 2100,1700 2100,1330 2070,1300 2000,1300 J6.36@1950,1250
GPIO2_FSIRXD1: J11.7 R71.1 U1.77 | length 1052.5
  Top Signal w5: U1.77@1518.17,2751.94 1536.23,2770 1598.62,2770 1743,2625.62 v1(1743,2087.9)
  Bottom Signal w5: v1(1743,2087.9) 1779.41,2051.5 1854,2051.5 1855.5,2050 J11.7@1950,2050
GPIO3: J6.35 U1.76 | length 1872.8
  Top Signal w5: U1.76@1520,2725.93 1550.07,2756 1594,2756 1730,2620 1730,2115 1715,2100 1715,1515 1850,1380 1850,1215 v1(1870,1195)
  Bottom Signal w5: v1(1870,1195) 1915,1150 J6.35@1950,1150
GPIO4: J2.36 U1.75 | length 1374.8
  Top Signal w5: U1.75@1532.09,2641.98 1540.11,2650 1580,2650 v1(1610,2680) ; v1(1810,3710) 1810,3730 1830,3750 J2.36@1950,3750
  Bottom Signal w5: v1(1610,2680) 1810,2880 v1(1810,3710)
GPIO5: J2.35 U1.89 | length 1174.4
  Top Signal w5: U1.89@1351.14,2918.97 1390,2957.84 1390,2960 1408.74,2978.74 v1(1408.74,2982.19) ; v1(1590,3615) 1625,3650 J2.35@1950,3650
  Bottom Signal w5: v1(1408.74,2982.19) 1412.19,2982.19 1470,3040 1470,3130 1560,3220 1560,3590 1585,3615 v1(1590,3615)
GPIO6_BP: J6.38 R44.2 | length 752
  Top Signal w5: J6.38@1960,1460 2000,1500 2080,1500 2145,1565 R44.2@2145,2088.5
GPIO6_FSITXD0: J11.6 R44.1 U1.97 | length 1577.4
  Top Signal w5: U1.97@1239.78,3030.33 1279.45,3070 1280,3070 1290,3080 1515,3080 2085,2510 2085,2420 2145,2360 R44.1@2145,2155 ; J11.6@2050,2150 2051.5,2151.5 R44.1@2145,2151.5
GPIO7_BP: J6.37 R45.2 | length 1272.7
  Top Signal w5: J6.37@1960,1360 2000,1400 2120,1400 2180,1460 2180,2355 2116.5,2418.5 R45.2@2116.5,2445